# Altium PCB PCB2.PcbDoc (part 1 of 3) (continued)
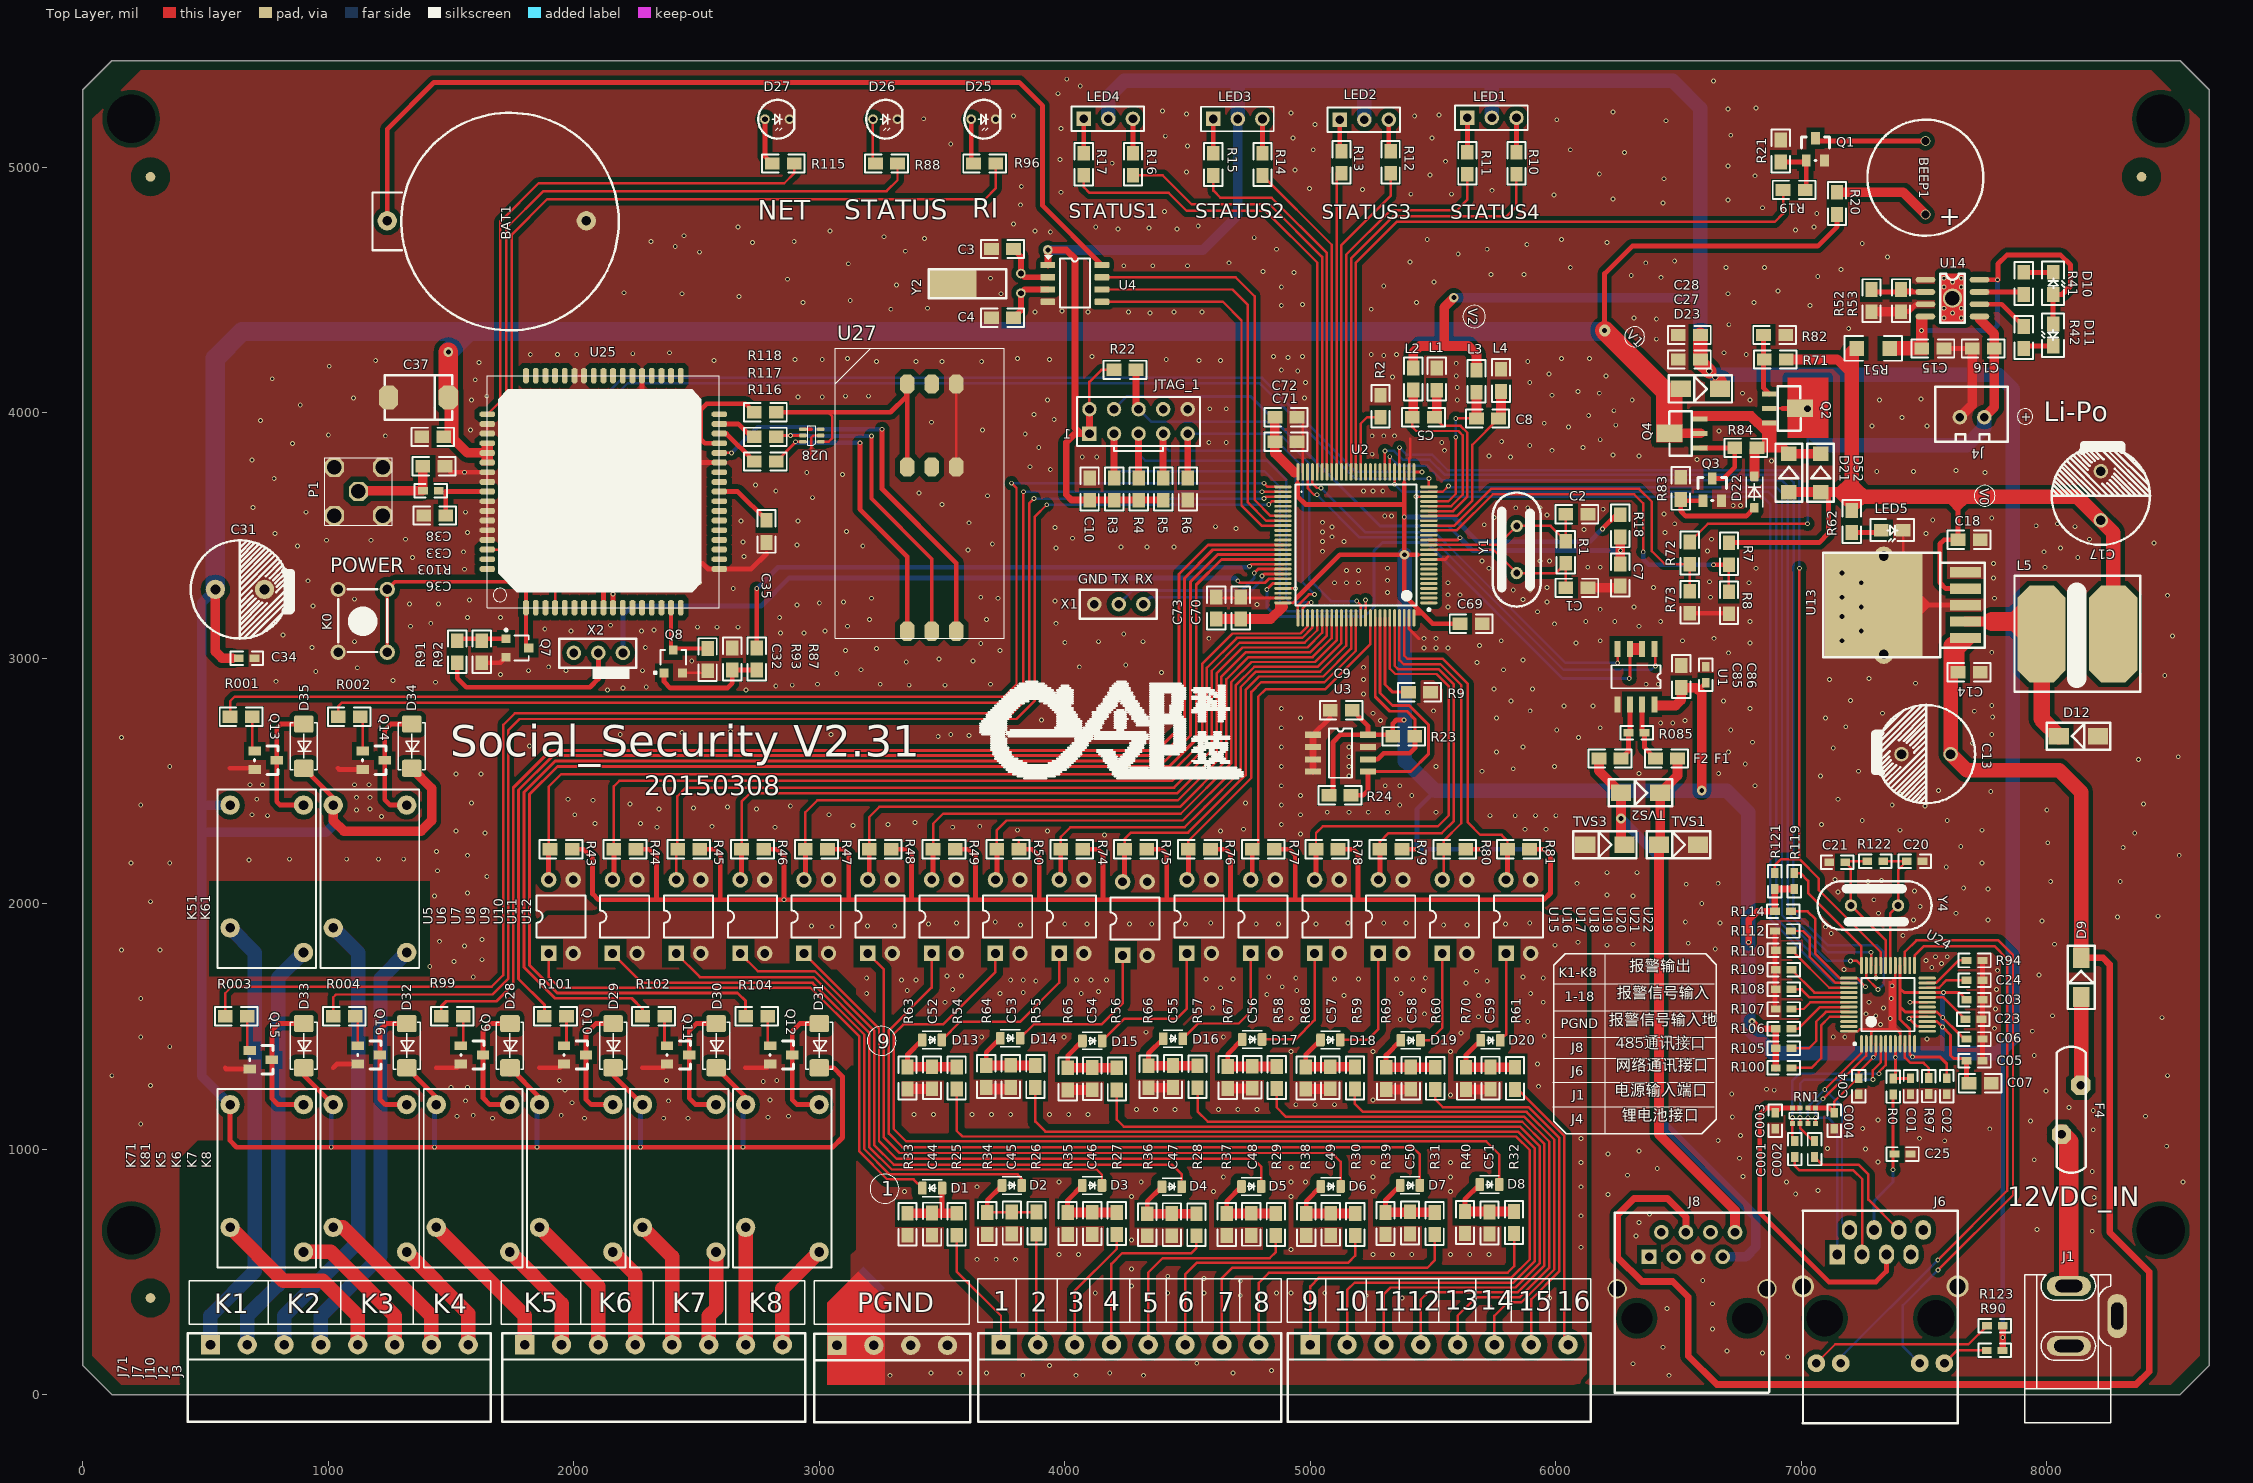
[diagram p0: Top Layer view]
## Components (designator, comment, footprint, x,y, rotation, side; value= is the part's Value field where it differs from the comment) (continued)
R47 "4.7K" 0805 2943.23,2221.57 r0 top locked
R48 "4.7K" 0805 3203.23,2221.57 r0 top locked
R49 "4.7K" 0805 3463.23,2221.57 r0 top locked
R50 "4.7K" 0805 3723.23,2221.57 r0 top locked
R51 "0.4" 1206 7225.75,4261.26 r0 top locked
R52 "2.7K" 0805 7285.75,4501.26 r270 top locked
R53 "2.7K" 0805 7405.75,4501.26 r270 top locked
R54 "4.7K" 0805 3559.29,1244.88 r90 top locked
R55 "4.7K" 0805 3880.08,1250.71 r90 top locked
R56 "4.7K" 0805 4211.93,1240.94 r90 top locked
R57 "4.7K" 0805 4540.83,1249.96 r90 top locked
R58 "4.7K" 0805 4863.38,1246.77 r90 top locked
R59 "4.7K" 0805 5181.65,1244.88 r90 top locked
R60 "4.7K" 0805 5508.9,1243.15 r90 top locked
R61 "4.7K" 0805 5833.93,1243.15 r90 top locked
R62 "1K" 0805 7205.75,3601.26 r270 top locked
R63 "10K" 0805 3359.29,1244.88 r90 top locked
R64 "10K" 0805 3680.08,1250.71 r90 top locked
R65 "10K" 0805 4011.93,1240.94 r90 top locked
R66 "10K" 0805 4340.83,1249.96 r90 top locked
R67 "10K" 0805 4663.38,1246.77 r90 top locked
R68 "10K" 0805 4981.65,1244.88 r90 top locked
R69 "10K" 0805 5308.9,1243.15 r90 top locked
R70 "10K" 0805 5633.93,1243.15 r90 top locked
R71 "100" 0805 6849.06,4216.46 r0 top locked
R72 "10K" 0805 6545.4,3382.83 r90 top locked
R73 "10K" 0805 6545.4,3182.83 r90 top locked
R74 "4.7K" 0805 3983.23,2221.57 r0 top locked
R75 "4.7K" 0805 4243.23,2221.57 r0 top locked
R76 "4.7K" 0805 4503.23,2221.57 r0 top locked
R77 "4.7K" 0805 4763.23,2221.57 r0 top locked
R78 "4.7K" 0805 5023.23,2221.57 r0 top locked
R79 "4.7K" 0805 5283.23,2221.57 r0 top locked
R80 "4.7K" 0805 5543.23,2221.57 r0 top locked
R81 "4.7K" 0805 5803.23,2221.57 r0 top locked
R82 "4.7K" 0805 6936.3,4316.46 r180 top locked
R83 "4.7K" 0805 6509.06,3736.46 r270 top locked
R84 "4.7K" 0805 6729.06,3856.46 r0 top locked
R085 "120R" 0603 6361.57,2696.38 r180 top locked
R87 "4.7K" 0805 2745.12,3041.26 r270 top locked
R88 "1K" 0805 3228.43,5015.12 r0 top locked
R90 "270" 0603 7820,180 r180 top
R91 "4.7K" 0805 1525.12,2981.26 r90 top locked
R92 "10K" 0805 1625.12,2981.26 r90 top locked
R93 "10K" 0805 2645.12,3041.26 r270 top locked
R94 "10K" 0603 7673.31,1768.5 r0 top locked
R96 "1K" 0805 3628.43,5015.12 r0 top locked
R97 "12.4K" 0603 7519.68,1224.41 r90 top locked
R99 "1K" 0805 1460,1541.26 r0 top locked
R100 "10K" 0603 6895.51,1330.71 r0 top locked
R101 "1K" 0805 1880,1541.26 r0 top locked
R102 "1K" 0805 2280,1541.26 r0 top locked
R103 "0R" 0603 1385.12,3681.26 r0 top locked
R104 "1K" 0805 2700,1541.26 r0 top locked
R105 "10K" 0603 6895.51,1410.71 r0 top locked
R106 "10K" 0603 6895.51,1490.71 r0 top locked
R107 "10K" 0603 6895.51,1570.71 r0 top locked
R108 "10K" 0603 6895.51,1650.71 r0 top locked
R109 "10K" 0603 6895.51,1730.71 r0 top locked
R110 "10K" 0603 6895.51,1810.71 r0 top locked
R112 "10K" 0603 6893.31,1888.5 r0 top locked
R114 "10K" 0603 6893.31,1968.5 r0 top locked
R115 "1K" 0805 2808.43,5015.12 r0 top locked
R116 "22" 0805 2825.12,3801.26 r180 top locked
R117 "22" 0805 2825.12,3901.26 r180 top locked
R118 "22" 0805 2825.12,4001.26 r180 top locked
R119 "10K" 0603 6971.34,2059.21 r90 top locked
R121 "10K" 0603 6891.34,2059.21 r90 top locked
R122 "1M" 0603 7333.86,2172.44 r180 top locked
R123 "270" 0603 7820.71,280 r180 top
RN1 "51R" 0603-4 7073.86,1167.87 r180 top locked
TVS1 "TVS" SMB 6420,2240 r0 top locked
TVS2 "TVS" SMB 6265.67,2450.87 r0 top locked
TVS3 "TVS" SMB 6120,2240 r0 top locked
U1 "SP3485" SOP-8#1 6401.57,3036.38 r270 top locked
U2 "STM32F103VET6" LQFP100_N 5185.75,3461.26 r180 top locked
U3 "24C02" SOP-8#1 5010.79,2687.8 r0 top locked
U4 "DS1302" SOP-8#2 4041.03,4526.46 r0 top locked
U5 "PC817" DIP4 1897.4,1797.16 r90 top locked
U6 "PC817" DIP4 2157.4,1797.16 r90 top locked
U7 "PC817" DIP4 2417.4,1797.16 r90 top locked
U8 "PC817" DIP4 2677.4,1797.16 r90 top locked
U9 "PC817" DIP4 2937.4,1797.16 r90 top locked
U10 "PC817" DIP4 3197.4,1797.16 r90 top locked
U11 "PC817" DIP4 3457.4,1797.16 r90 top locked
U12 "PC817" DIP4 3717.4,1797.16 r90 top locked
U13 "LM2596S_5.0" TO-263-5 7668.43,3082.2 r0 top locked
U14 "TP4056" SO8E 7505.75,4541.26 r0 top locked
U15 "PC817" DIP4 3977.4,1797.16 r90 top locked
U16 "PC817" DIP4 4235.35,1788.82 r90 top locked
U17 "PC817" DIP4 4497.4,1797.16 r90 top locked
U18 "PC817" DIP4 4757.4,1797.16 r90 top locked
U19 "PC817" DIP4 5017.4,1797.16 r90 top locked
U20 "PC817" DIP4 5277.4,1797.16 r90 top locked
U21 "PC817" DIP4 5537.4,1797.16 r90 top locked
U22 "PC817" DIP4 5797.4,1797.16 r90 top locked
U24 "W5500" LQFP48_N 7353.31,1588.5 r90 top locked
U25 "SIM900" SIM-900 2592.84,3205.98 r90 top locked
U27 "SIM" sim-6p 3458,3109 r0 top locked
U28 "SMF05" SC70-6L 3005.12,3881.26 r180 top locked
X1 "2.54-TX" 2.54-TX 4060,3160 r0 top locked
X2 "2.54-TX" 2.54-TX 1940,2961.26 r0 top locked
Y1 "8MHz" XTAL_US 5840.75,3346.26 r90 top locked
Y2 "32.768KHz" cs-308 3761.03,4466.46 r180 top locked
Y4 "25MHz" XTAL_US 7394.25,1992.44 r180 top locked

## Footprints (in the part's own frame and the unit in brackets; to place one, negate y for a bottom-side part, rotate by r counter-clockwise, add the part's x,y. Pads: shape width x height; smd on the part's side, far side on the other; paste and mask are expansions set on the pad)
2.54 [mm]
  round 1.5 hole 0.9: 1(5.08,2.54) 2(2.54,2.54)
  silkscreen extent 0,0 7.5,5.7
2.54-TX [mm]
  round 1.5 hole 0.9: 1(6.604,1.524) 2(4.064,1.524) 3(1.524,1.524)
  silkscreen extent 0,0 8,3
3.81-4P-W [mm]
  rect 2x2 hole 1: 1(2.345,-1.2)
  round 2 hole 1: 2(6.155,-1.2) 3(9.965,-1.2) 4(13.775,-1.2)
  silkscreen extent 0,-9.15 16.12,0
3.81-8P-W [mm]
  rect 2x2 hole 1: 1(0,0)
  round 2 hole 1: 2(3.81,0) 3(7.62,0) 4(11.43,0) 5(15.24,0) 6(19.05,0) 7(22.86,0) 8(26.67,0)
  silkscreen extent -2.34,-7.99 29.02,1.2
0603 [mil]
  rect 40x30 smd: 1(0,0) 2(65,0)
  silkscreen extent -33,-28 98,28
0603-4 [mm]
  rect 0.5x0.5 smd: 1(0.4,0) 2(0.4,1.6) 3(1.2,0) 4(1.2,1.6) 5(2,0) 6(2,1.6) 7(2.8,0) 8(2.8,1.6)
  silkscreen extent 0.1,0.5 3.1,1.1
0805 [mil]
  rect 60x50 smd: 1(0,0) 2(90,0)
  silkscreen extent -42,-37 132,37
0805-LED [mil]
  rrect25% 35x52 smd: 1(-40,0) 2(40,0)
  silkscreen extent -40,-35 40,35, body extent -40,-25 40,24, height 43
1206 [mil]
  rect 60x60 smd: 1(0,0) 2(135,0)
  silkscreen extent -50,-50 185,50
7343 [mm]
  oct 2x2.5 smd: 1(-0.1,0) 2(6.1,0)
  silkscreen extent -0.5,-2.3 6.5,2.3
BEEP-12 [mm]
  round 1 hole 0.8: 1(0,0) 2(7.6,0)
  silkscreen extent -2.2,-6 9.8,6
CR2032 [mm]
  round 2 hole 1: 1(0,0) 2(0,-20.6)
  silkscreen extent -11.32,-23.95 11.18,1.52
cs-308 [mm]
  round 1 hole 0.6: 1(-1.524,-0.508) 2(-1.524,-2.54)
  rect 5x3 smd: 3(5.588,-1.524)
  silkscreen extent 0,-3 8,0
DC10B [mil]
  oval 80x180 hole 50 slot 110 at 90 deg: 1(419.09,170)
  oval 80x180 hole 50 slot 120 at 90 deg: 2(175,170)
  oval 180x80 hole 50 slot 110 at 0 deg: 3(297.05,-26.85)
  silkscreen extent -138,0 465,350
DIP4 [mm]
  rect 1.6x1.6 hole 0.9: 1(0,0)
  round 1.6 hole 0.9: 2(0,-2.54) 3(7.62,-2.54) 4(7.62,0)
  silkscreen extent 1.64,-3.81 5.99,1.27
DO-214AC(SMA) [mil]
  rrect25% 70x80 smd: 1(-90,0) 2(90,0)
  silkscreen extent -95,-55 95,55, body extent -108,-55 108,55, height 91
FUSE-RL60-110 [mm]
  oct 2x2 hole 0.9: 1(0,0) 2(5.1,-2)
  silkscreen extent -3.97,-2.5 9.07,0.5
HDR1X3 [mm]
  rect 1.5x1.5 hole 0.9: 1(0,0)
  round 1.5 hole 0.9: 2(2.54,0) 3(5.08,0)
  silkscreen extent -1.27,-1.27 6.25,1.27
HR911105A [mil]
  rect 80x62 hole 40: 1(0,0)
  oval 80x62 hole 40: 2(-100,50) 3(0,100) 4(-100,150) 5(0,200) 6(-100,250) 7(0,300) 8(-100,350)
  round 72 hole 36: 9(442.91,-85.63) 10(442.91,14) 11(442.91,335.87) 12(442.91,436)
  round 90 hole 65: 13(129.92,-139.76) 14(129.92,490.16)
  round 0 hole 149.61: ""(259.84,401.58) ""(259.84,-51.18)
  silkscreen extent -179,-140 687,490
INDUCTOR-1212 [mm]
  oct 5x10 smd: 1(2.8,6) 2(10.2,6)
  silkscreen extent 0,0 13,12
JTAG_10 [mm]
  rect 1.5x1.5 hole 0.9: 1(0,0)
  round 1.5 hole 0.9: 2(0,2.54) 3(2.54,0) 4(2.54,2.54) 5(5.08,0) 6(5.08,2.54) 7(7.62,0) 8(7.62,2.54) 9(10.16,0) 10(10.16,2.54)
  silkscreen extent -1.27,-1.78 11.43,3.81
KEY_M [mil]
  round 62 hole 38: 1(0,0) 1(255.91,0) 2(0,-200) 2(255.91,-200)
  silkscreen extent 0,-200 255,0
LED-0805 [mil]
  rect 60x50 smd: 1(0,0) 2(90,0)
  silkscreen extent -43,-46 134,45
LED-DIP [mm]
  round 1 hole 0.6: 1(-0.25,0) 2(2.29,0)
  silkscreen extent -0.95,-2 2.78,2
LQFP48_N [mm] "Thin QFP, 48-Leads, Body 7x7mm, Pitch 0.5mm, IPC Medium Density"
  oval 1.8x0.3 smd: 1(-4.05,2.75) 2(-4.05,2.25) 3(-4.05,1.75) 4(-4.05,1.25) 5(-4.05,0.75) 6(-4.05,0.25) 7(-4.05,-0.25) 8(-4.05,-0.75) 9(-4.05,-1.25) 10(-4.05,-1.75) 11(-4.05,-2.25) 12(-4.05,-2.75) 25(4.05,-2.75) 26(4.05,-2.25) 27(4.05,-1.75) 28(4.05,-1.25) 29(4.05,-0.75) 30(4.05,-0.25) 31(4.05,0.25) 32(4.05,0.75) 33(4.05,1.25) 34(4.05,1.75) 35(4.05,2.25) 36(4.05,2.75)
  oval 0.3x1.8 smd: 13(-2.75,-4.05) 14(-2.25,-4.05) 15(-1.75,-4.05) 16(-1.25,-4.05) 17(-0.75,-4.05) 18(-0.25,-4.05) 19(0.25,-4.05) 20(0.75,-4.05) 21(1.25,-4.05) 22(1.75,-4.05) 23(2.25,-4.05) 24(2.75,-4.05) 37(2.75,4.05) 38(2.25,4.05) 39(1.75,4.05) 40(1.25,4.05) 41(0.75,4.05) 42(0.25,4.05) 43(-0.25,4.05) 44(-0.75,4.05) 45(-1.25,4.05) 46(-1.75,4.05) 47(-2.25,4.05) 48(-2.75,4.05)
  silkscreen extent -4.17,-2.75 2.75,3.57, body extent -3.5,-3.5 3.5,3.5, height 1.6
LQFP100_N [mm] "Thin QFP, 100-Leads, Body 14x14mm, Pitch 0.5mm, IPC Medium Density"
  oval 1.8x0.3 smd: 1(-7.55,6) 2(-7.55,5.5) 3(-7.55,5) 4(-7.55,4.5) 5(-7.55,4) 6(-7.55,3.5) 7(-7.55,3) 8(-7.55,2.5) 9(-7.55,2) 10(-7.55,1.5) 11(-7.55,1) 12(-7.55,0.5) 13(-7.55,0) 14(-7.55,-0.5) 15(-7.55,-1) 16(-7.55,-1.5) 17(-7.55,-2) 18(-7.55,-2.5) 19(-7.55,-3) 20(-7.55,-3.5) 21(-7.55,-4) 22(-7.55,-4.5) 23(-7.55,-5) 24(-7.55,-5.5) 25(-7.55,-6) 51(7.55,-6) 52(7.55,-5.5) 53(7.55,-5) 54(7.55,-4.5) 55(7.55,-4) 56(7.55,-3.5) 57(7.55,-3) 58(7.55,-2.5) 59(7.55,-2) 60(7.55,-1.5) 61(7.55,-1) 62(7.55,-0.5) 63(7.55,0) 64(7.55,0.5) 65(7.55,1) 66(7.55,1.5) 67(7.55,2) 68(7.55,2.5) 69(7.55,3) 70(7.55,3.5) 71(7.55,4) 72(7.55,4.5) 73(7.55,5) 74(7.55,5.5) 75(7.55,6)
  oval 0.3x1.8 smd: 26(-6,-7.55) 27(-5.5,-7.55) 28(-5,-7.55) 29(-4.5,-7.55) 30(-4,-7.55) 31(-3.5,-7.55) 32(-3,-7.55) 33(-2.5,-7.55) 34(-2,-7.55) 35(-1.5,-7.55) 36(-1,-7.55) 37(-0.5,-7.55) 38(0,-7.55) 39(0.5,-7.55) 40(1,-7.55) 41(1.5,-7.55) 42(2,-7.55) 43(2.5,-7.55) 44(3,-7.55) 45(3.5,-7.55) 46(4,-7.55) 47(4.5,-7.55) 48(5,-7.55) 49(5.5,-7.55) 50(6,-7.55) 76(6,7.55) 77(5.5,7.55) 78(5,7.55) 79(4.5,7.55) 80(4,7.55) 81(3.5,7.55) 82(3,7.55) 83(2.5,7.55) 84(2,7.55) 85(1.5,7.55) 86(1,7.55) 87(0.5,7.55) 88(0,7.55) 89(-0.5,7.55) 90(-1,7.55) 91(-1.5,7.55) 92(-2,7.55) 93(-2.5,7.55) 94(-3,7.55) 95(-3.5,7.55) 96(-4,7.55) 97(-4.5,7.55) 98(-5,7.55) 99(-5.5,7.55) 100(-6,7.55)
  silkscreen extent -7.68,-6.25 6.25,6.82, body extent -7,-7 7,7, height 1.6
RB5.0-10#1 [mm]
  round 1.5 hole 1.016: 1(0,0) 2(-5.08,0)
  silkscreen extent -7.84,-5.08 2.54,5.11
RB5.0-10#2 [mm]
  round 2 hole 1.016: 1(0,0) 2(-5.08,0)
  silkscreen extent -7.84,-5.08 2.54,5.11
RELAY-SONGCHUAN [mm]
  round 2 hole 1: 1(12.7,0) 2(15.24,7.6) 3(0,7.6) 4(0,0)
  silkscreen extent -1.6,-1.3 16.84,8.9
RJ45-1 [mil]
  rect 60x60 hole 35: 1(0,0)
  round 60 hole 35: 2(-50,-100) 3(-100,0) 4(-150,-100) 5(-200,0) 6(-250,-100) 7(-300,0) 8(-350,-100)
  round 78.74 hole 64.96: 9(129.92,130) 10(-480.31,130)
  oct 0x0 hole 125.98: ""(-400,250) ""(50,250)
  silkscreen extent -490,-180 140,553
SC70-6L [mm]
  oct 0.85x0.4 smd: 1(0,0) 2(0,-0.65) 3(0,-1.3) 4(1.829,-1.3) 5(1.829,-0.65) 6(1.829,0)
  silkscreen extent 0.51,-1.64 1.32,0.36
sim-6p [mm]
  oct 1.5x2 smd: 1(-2.54,17) 1(-2.54,25.6) 2(0,17) 2(0,25.6) 3(2.54,17) 3(2.54,25.6) 4(-2.54,0) 5(0,0) 6(2.54,0)
  silkscreen extent -10,-0.7 7.5,29.3
SIM-900 [mm]
  oct 1.6x0.6 smd: 1(0,20) 2(0,19) 3(0,18) 4(0,17) 5(0,16) 6(0,15) 7(0,14) 8(0,13) 9(0,12) 10(0,11) 11(0,10) 12(0,9) 13(0,8) 14(0,7) 15(0,6) 16(0,5) 17(0,4) 35(24,4) 36(24,5) 37(24,6) 38(24,7) 39(24,8) 40(24,9) 41(24,10) 42(24,11) 43(24,12) 44(24,13) 45(24,14) 46(24,15) 47(24,16) 48(24,17) 49(24,18) 50(24,19) 51(24,20)
  oct 0.6x1.6 smd: 18(4,0) 19(5,0) 20(6,0) 21(7,0) 22(8,0) 23(9,0) 24(10,0) 25(11,0) 26(12,0) 27(13,0) 28(14,0) 29(15,0) 30(16,0) 31(17,0) 32(18,0) 33(19,0) 34(20,0) 52(20,24) 53(19,24) 54(18,24) 55(17,24) 56(16,24) 57(15,24) 58(14,24) 59(13,24) 60(12,24) 61(11,24) 62(10,24) 63(9,24) 64(8,24) 65(7,24) 66(6,24) 67(5,24) 68(4,24)
  silkscreen extent 0,0 24,24
SMA(DO-214AC) [mm]
  rect 1.5x1.6 smd: 1(0,0) 2(3.95,0)
  silkscreen extent -1,-1.38 5,1.37
SMB [mm]
  rect 2.1x1.7 smd: 1(0,0) 2(4.05,0)
  silkscreen extent -1.25,-1.4 5.3,1.4
SO8E [mil]
  oval 80x24 smd: 1(0,0) 2(0,-50) 3(0,-100) 4(0,-150) 5(220,-150) 6(220,-100) 7(220,-50) 8(220,0)
  round 78.74 hole 59.05: 9(110,-75)
  silkscreen extent 60,-175 160,25
sod-123 [mil]
  rrect25% 40x35 smd: 1(-64,0) 2(64,0)
  silkscreen extent -62,-33 62,34, body extent -76,-33 76,34, height 56
SOP-8#1 [mil]
  rect 65x25 smd: 1(0,0) 2(0,-50) 3(0,-100) 4(0,-150) 5(224.41,-150) 6(224.41,-100) 7(224.41,-50) 8(224.41,0)
  silkscreen extent 65,-175 159,25
SOP-8#2 [mil]
  rrect25% 60x25 smd: 1(-110,75) 2(-110,25) 3(-110,-25) 4(-110,-75) 5(110,-75) 6(110,-25) 7(110,25) 8(110,75)
  silkscreen extent -125,-99 62,114, body extent -118,-98 118,99, height 69
SOT-23 [mil]
  rect 36x50 smd: 1(0,0) 2(75,0) 3(37.5,90)
  silkscreen extent -20,0 95,95
SOT-23R [mm]
  rect 0.9x0.95 smd: 1(0.95,-1.048) 2(-0.95,-1.048) 3(0,1.302)
  silkscreen extent -1.98,-1.17 1.3,1.3
SOT-89 [mm]
  rect 0.52x1.5 smd: 1(0,0) 2(1.5,0) 3(3,0)
  rect 1.8x2.7 smd: 4(1.5,3.2)
  silkscreen extent -0.8,0.9 3.8,3.25
ST-TH1 [mm]
  oct 2x2 hole 1.5: 1(3.5,3.5) 2(1,6) 3(6,6) 4(6,1) 5(1,1)
  silkscreen extent 0,0 7,7
TO-263-5 [mm]
  rect 3.176x1.07 smd: 1(0,0) 2(0,1.7) 3(0,3.4) 4(0,5.1) 5(0,6.8)
  round 2 hole 1.016: 6(-8.45,-1.695) 8(-8.45,8.465)
  rect 10.16x10.668 smd: 7(-9.5,3.404)
  silkscreen extent -14.73,-2 1.98,8.8
XTAL_US [mil]
  round 50 hole 28: 1(0,0) 2(192.13,0)
  silkscreen extent -136,-98 328,98

## Part data
BAT1: library part BAT
C001 C002 C3 C4 C14 C18 C20 C21 C32 C33 C34 C36 C38: library part C
C1 C2 C7 C9 C10: library part CAP, "陶瓷电容"
C01 C02 C003 C03 C004 C04 C5 C05 C06 C8 C13 C15 C16 C17 C24 C25 C27 C28 C31 C35 C37 C44 C45 C46 C47 C48 C49 C50 C51 C52 C53 C54 C55 C56 C57 C58 C59 C69 C70 C71 C72 C73 C85 C86: library part CAP
C07 C23: library part CAP, "0.1uF"
D1 D2 D3 D4 D5 D6 D7 D8 D13 D14 D15 D16 D17 D18 D19 D20 D26 LED5: library part LED-RED, "红色LED"
D9: library part 1N5824(SS54), "肖特基二极管"
D10 D11: library part LED
D12 D21 D23 D52: library part DIODE
D22: library part 1N5824(SS54), "3V稳压管"
D25: library part LED-RED, "绿色LED"
D27: library part LED-RED, "黄色LED"
D28 D29 D30 D31 D32 D33 D34 D35: "1A整流二极管"
F1 F2: "SMD0805P010TS"
F4: "RL60-110"
J1: library part POW
J2 J3 J7 J71: "端子"
J4: library part SIP2A-2.50（带槽）
J10: library part SIP4A-2.50(带槽)
K5 K6 K7 K8 K51 K61 K71 K81: library part JDQ_307, "继电器"
L1 L2 L3 L4 L5: library part INDUCTOR
LED1 LED2 LED3 LED4: "Header, 3-Pin"
P1: "SMA-J-P-H-ST-TH1"
Q1 Q3 Q9 Q10 Q11 Q12 Q13 Q14 Q15 Q16: library part NPN1
Q2 Q4: library part "MOSFET P_1"
Q7 Q8: library part NPN, "8050/BCW846/BCW847"
R0 R2 R9 R20 R41 R42 R51 R52 R53 R88 R90 R94 R97 R100 R105 R106 R107 R108 R109 R110 R112 R114 R115 R116 R117 R118 R119 R121 R122 R123: library part RES1
R001 R002 R003 R004 R7 R8 R10 R11 R12 R13 R14 R15 R16 R17 R25 R26 R27 R28 R29 R30 R31 R32 R33 R34 R35 R36 R37 R38 R39 R40 R43 R44 R45 R46 R47 R48 R49 R50 R54 R55 R56 R57 R58 R59 R60 R61 R62 R63 R64 R65 R66 R67 R68 R69 R70 R72 R73 R74 R75 R76 R77 R78 R79 R80 R81 R87 R91 R92 R93 R96 R99 R101 R102 R103 R104: library part Res
R1 R3 R4 R5 R6 R18 R22 R23 R24 R085: library part RES-1%, "高精度电阻"
R19 R21: library part R
R71 R82 R83 R84: library part RESISTOR, "Resistor"
RN1: library part RESPACK
TVS1 TVS2 TVS3: "SMBJ12CA"
U1: library part MAX3485
U2: "STM32 ARM-based 32-bit MCU with 64 Kbytes Flash, 100-pin LQFP, Industrial Temperature"
U3: library part 24C256
U4: "实时时钟"
U5 U6 U7 U8 U9 U10 U11 U12 U15 U16 U17 U18 U19 U20 U21 U22: library part TLP521, "光耦"
U13: "3A开关电源芯片"
U24: "以太网"
U27: "手机SIM卡"
Y1 Y2 Y4: library part XTAL, "Crystal Oscillator"

## Free pads (board coordinates)
  round 39.37 smd mask+39.37: 0(275.59,393.7) 0(275.59,4960.63) 0(8385.83,4960.63)
  round 39.37 hole 27.56: 0(7025.59,4015.75)
  round 19.68 hole 11.81: 0(7580.71,4547.24) 1(7651.58,4547.24) 2(7651.58,4511.81) 3(7580.71,4511.81) 4(7580.71,4425.2) 5(7651.58,4425.2) 6(7651.58,4385.83) 7(7580.71,4385.83) 8(7616.14,4405.51) 9(7616.14,4531.5)
  round 0 hole 196.85: 2(196.85,669.29) 3(8464.57,669.29) 4(196.85,5196.85) 5(8464.57,5196.85)
  round 39.37 hole 19.68: 6(7165.35,3346.46) 7(7165.35,3070.87) 8(7165.35,3169.29) 9(7165.35,3248.03) 10(7244.09,3307.09) 11(7244.09,3208.66) 12(7244.09,3110.24)

## Via types
v1: diameter 19.68, hole 11.81, Top Layer to Bottom Layer, tented both sides, 1079 vias
v2: diameter 39.37, hole 19.68, Top Layer to Bottom Layer, tented both sides, 6 vias
v3: diameter 27.56, hole 19.68, Top Layer to Bottom Layer, tented both sides, 2 vias
v4: diameter 27.56, hole 11.81, Top Layer to Bottom Layer, tented both sides, 1 vias
v5: diameter 47.24, hole 19.68, Top Layer to Bottom Layer, tented both sides, 1 vias

## Nets (pads, with @x,y where several pads share a name; then routed paths per layer and width w, separated by ;. In a path a pad name is that pad's centre, name@x,y a point inside that pad or via, vN(x,y) a via of type N, cw(c..) or ccw(c..) an arc to the next point about the centre after c; other vN are vias at no path point)
pads on no net: BAT1.1 BAT1.2 BEEP1.1 BEEP1.2 C001.1 C1.1 C01.1 C1.2 C01.2 C001.2 C002.1 C02.1 C2.1 C02.2 C2.2 C002.2 C03.1 C003.1 C3.1 C003.2 C03.2 C3.2 C04.1 C004.1 C4.1 C04.2 C4.2 C004.2 C05.1 C5.1 C5.2 C05.2 C06.1 C06.2 C07.1 C7.1 C07.2 C7.2 C8.1 C8.2 C9.1 C9.2 C10.1 C10.2 C13.1 C13.2 C14.1 C14.2 C15.1 C15.2 C16.1 C16.2 C17.1 C17.2 C18.1 C18.2 C20.1 C20.2 C21.1 C21.2 C23.1 C23.2 C24.1 C24.2 C25.1 C25.2 C27.1 C27.2 C28.1 C28.2 C31.1 C31.2 C32.1 C32.2 C33.1 C33.2 C34.1 C34.2 C35.1 C35.2 C36.1 C36.2 C37.1 C37.2 C38.1 C38.2 C44.1 C44.2 C45.1 C45.2 C46.1 C46.2 C47.1 C47.2 C48.1 C48.2 C49.1 C49.2 C50.1 C50.2 C51.1 C51.2 C52.1 C52.2 C53.1 C53.2 C54.1 C54.2 C55.1 C55.2 C56.1 C56.2 C57.1 C57.2 C58.1 C58.2 C59.1 C59.2 C69.1 C69.2 C70.1 C70.2 C71.1 C71.2 C72.1 C72.2 C73.1 C73.2 C85.1 C85.2 C86.1 C86.2 D1.1 D1.2 D2.1 D2.2 D3.1 D3.2 D4.1 D4.2 D5.1 D5.2 D6.1 D6.2 D7.1 D7.2 D8.1 D8.2 D9.1 D9.2 D10.1 D10.2 D11.1 D11.2 D12.1 D12.2 D13.1 D13.2 D14.1 D14.2 D15.1 D15.2 D16.1 D16.2 D17.1 D17.2 D18.1 D18.2 D19.1 D19.2 D20.1 D20.2 D21.1 D21.2 D22.1 D22.2 D23.1 D23.2 D25.1 D25.2 D26.1 D26.2 D27.1 D27.2 D28.1 D28.2 D29.1 D29.2 D30.1 D30.2 D31.1 D31.2 D32.1 D32.2 D33.1 D33.2 D34.1 D34.2 D35.1 D35.2 D52.1 D52.2 F1.1 F1.2 F2.1 F2.2 F4.1 F4.2 J1.1 J1.2 J1.3 J2.1 J2.2 J2.3 J2.4 J2.5 J2.6 J2.7 J2.8 J3.1 J3.2 J3.3 J3.4 J3.5 J3.6 J3.7 J3.8 J4.1 J4.2 J6. J6.1 J6.2 J6.3 J6.4 J6.5 J6.6 J6.7 J6.8 J6.9 J6.10 J6.11 J6.12 J6.13 J6.14 J7.1 J7.2 J7.3 J7.4 J7.5 J7.6 J7.7 J7.8 J8. J8.1 J8.2 J8.3 J8.4 J8.5 J8.6 J8.7 J8.8 J8.9 J8.10 J10.1 J10.2 J10.3 J10.4 J71.1 J71.2 J71.3 J71.4 J71.5 J71.6 J71.7 J71.8 JTAG_1.1 JTAG_1.2 JTAG_1.3 JTAG_1.4 JTAG_1.5 JTAG_1.6 JTAG_1.7 JTAG_1.8 JTAG_1.9 JTAG_1.10 K0.1 K0.2 K5.1 K5.2 K5.3 K5.4 K6.1 K6.2 K6.3 K6.4 K7.1 K7.2 K7.3 K7.4 K8.1 K8.2 K8.3 K8.4 K51.1 K51.2 K51.3 K51.4 K61.1 K61.2 K61.3 K61.4 K71.1 K71.2 K71.3 K71.4 K81.1 K81.2 K81.3 K81.4 L1.1 L1.2 L2.1 L2.2 L3.1 L3.2 L4.1 L4.2 L5.1 L5.2 LED1.1 LED1.2 LED1.3 LED2.1 LED2.2 LED2.3 LED3.1 LED3.2 LED3.3 LED4.1 LED4.2 LED4.3 LED5.1 LED5.2 P1.1 P1.2 P1.3 P1.4 P1.5 Q1.1 Q1.2 Q1.3 Q2.1 Q2.2 Q2.3 Q2.4 Q3.1 Q3.2 Q3.3 Q4.1 Q4.2 Q4.3 Q4.4 Q7.1 Q7.2 Q7.3 Q8.1 Q8.2 Q8.3 Q9.1 Q9.2 Q9.3 Q10.1 Q10.2 Q10.3 Q11.1 Q11.2 Q11.3 Q12.1 Q12.2 Q12.3 Q13.1 Q13.2 Q13.3 Q14.1 Q14.2 Q14.3 Q15.1 Q15.2 Q15.3 Q16.1 Q16.2 Q16.3 R0.1 R0.2 R001.1 R1.1 R001.2 R1.2 R2.1 R002.1 R2.2 R002.2 R3.1 R003.1 R3.2 R003.2 R4.1 R004.1 R4.2 R004.2 R5.1 R5.2 R6.1 R6.2 R7.1 R7.2 R8.1 R8.2 R9.1 R9.2 R10.1 R10.2 R11.1 R11.2 R12.1 R12.2 R13.1 R13.2 R14.1 R14.2 R15.1 R15.2 R16.1 R16.2 R17.1 R17.2 R18.1 R18.2 R19.1 R19.2 R20.1 R20.2 R21.1 R21.2 R22.1 R22.2 R23.1 R23.2 R24.1 R24.2 R25.1 R25.2 R26.1 R26.2 R27.1 R27.2 R28.1 R28.2 R29.1 R29.2 R30.1 R30.2 R31.1 R31.2 R32.1 R32.2 R33.1 R33.2 R34.1 R34.2 R35.1 R35.2 R36.1 R36.2 R37.1 R37.2 R38.1 R38.2 R39.1 R39.2 R40.1 R40.2 R41.1 R41.2 R42.1 R42.2 R43.1 R43.2 R44.1 R44.2 R45.1 R45.2 R46.1 R46.2 R47.1 R47.2 R48.1 R48.2 R49.1 R49.2 R50.1 R50.2 R51.1 R51.2 R52.1 R52.2 R53.1 R53.2 R54.1 R54.2 R55.1 R55.2 R56.1 R56.2 R57.1 R57.2 R58.1 R58.2 R59.1 R59.2 R60.1 R60.2 R61.1 R61.2 R62.1 R62.2 R63.1 R63.2 R64.1 R64.2 R65.1 R65.2 R66.1 R66.2 R67.1 R67.2 R68.1 R68.2 R69.1 R69.2 R70.1 R70.2 R71.1 R71.2 R72.1 R72.2 R73.1 R73.2 R74.1 R74.2 R75.1 R75.2 R76.1 R76.2 R77.1 R77.2 R78.1 R78.2 R79.1 R79.2 R80.1 R80.2 R81.1 R81.2 R82.1 R82.2 R83.1 R83.2 R84.1 R84.2 R085.1 R085.2 R87.1 R87.2 R88.1 R88.2 R90.1 R90.2 R91.1 R91.2 R92.1 R92.2 R93.1 R93.2 R94.1 R94.2 R96.1 R96.2 R97.1 R97.2 R99.1 R99.2 R100.1 R100.2 R101.1 R101.2 R102.1 R102.2 R103.1 R103.2 R104.1 R104.2 R105.1 R105.2 R106.1 R106.2 R107.1 R107.2 R108.1 R108.2 R109.1 R109.2 R110.1 R110.2 R112.1 R112.2 R114.1 R114.2 R115.1 R115.2 R116.1 R116.2 R117.1 R117.2 R118.1 R118.2 R119.1 R119.2 R121.1 R121.2 R122.1 R122.2 R123.1 R123.2 RN1.1 RN1.2 RN1.3 RN1.4 RN1.5 RN1.6 RN1.7 RN1.8 TVS1.1 TVS1.2 TVS2.1 TVS2.2 TVS3.1 TVS3.2 U1.1 U1.2 U1.3 U1.4 U1.5 U1.6 U1.7 U1.8 U2.1 U2.2 U2.3 U2.4 U2.5 U2.6 U2.7 U2.8 U2.9 U2.10 U2.11 U2.12 U2.13 U2.14 U2.15 U2.16 U2.17 U2.18 U2.19 U2.20 U2.21 U2.22 U2.23 U2.24 U2.25 U2.26 U2.27 U2.28 U2.29 U2.30 U2.31 U2.32 U2.33 U2.34 U2.35 U2.36 U2.37 U2.38 U2.39 U2.40 U2.41 U2.42 U2.43 U2.44 U2.45 U2.46 U2.47 U2.48 U2.49 U2.50 U2.51 U2.52 U2.53 U2.54 U2.55 U2.56 U2.57 U2.58 U2.59 U2.60 U2.61 U2.62 U2.63 U2.64 U2.65 U2.66 U2.67 U2.68 U2.69 U2.70 U2.71 U2.72 U2.73 U2.74 U2.75 U2.76 U2.77 U2.78 U2.79 U2.80 U2.81 U2.82 U2.83 U2.84 U2.85 U2.86 U2.87 U2.88 U2.89 U2.90 U2.91 U2.92 U2.93 U2.94 U2.95 U2.96 U2.97 U2.98 U2.99 U2.100 U3.1 U3.2 U3.3 U3.4 U3.5 U3.6 U3.7 U3.8 U4.1 U4.2 U4.3 U4.4 U4.5 U4.6 U4.7 U4.8 U5.1 U5.2 U5.3 U5.4 U6.1 U6.2 U6.3 U6.4 U7.1 U7.2 U7.3 U7.4 U8.1 U8.2 U8.3 U8.4 U9.1 U9.2 U9.3 U9.4 U10.1 U10.2 U10.3 U10.4 U11.1 U11.2 U11.3 U11.4 U12.1 U12.2 U12.3 U12.4 U13.1 U13.2 U13.3 U13.4 U13.5 U13.6 U13.7 U13.8 U14.1 U14.2 U14.3 U14.4 U14.5 U14.6 U14.7 U14.8 U14.9 U15.1 U15.2 U15.3 U15.4 U16.1 U16.2 U16.3 U16.4 U17.1 U17.2 U17.3 U17.4 U18.1 U18.2 U18.3 U18.4 U19.1 U19.2 U19.3 U19.4 U20.1 U20.2 U20.3 U20.4 U21.1 U21.2 U21.3 U21.4 U22.1 U22.2 U22.3 U22.4 U24.1 U24.2 U24.3 U24.4 U24.5 U24.6 U24.7 U24.8 U24.9 U24.10 U24.11 U24.12 U24.13 U24.14 U24.15 U24.16 U24.17 U24.18 U24.19 U24.20 U24.21 U24.22 U24.23 U24.24 U24.25 U24.26 U24.27 U24.28 U24.29 U24.30 U24.31 U24.32 U24.33 U24.34 U24.35 U24.36 U24.37 U24.38 U24.39 U24.40 U24.41 U24.42 U24.43 U24.44 U24.45 U24.46 U24.47 U24.48 U25.1 U25.2 U25.3 U25.4 U25.5 U25.6 U25.7 U25.8 U25.9 U25.10 U25.11 U25.12 U25.13 U25.14 U25.15 U25.16 U25.17 U25.18 U25.19 U25.20 U25.21 U25.22 U25.23 U25.24 U25.25 U25.26 U25.27 U25.28 U25.29 U25.30 U25.31 U25.32 U25.33 U25.34 U25.35 U25.36 U25.37 U25.38 U25.39 U25.40 U25.41 U25.42 U25.43 U25.44 U25.45 U25.46 U25.47 U25.48 U25.49 U25.50 U25.51 U25.52 U25.53 U25.54 U25.55 U25.56 U25.57 U25.58 U25.59 U25.60 U25.61 U25.62 U25.63 U25.64 U25.65 U25.66 U25.67 U25.68 U27.1 U27.2 U27.3 U27.4 U27.5 U27.6 U28.1 U28.2 U28.3 U28.4 U28.5 U28.6 X1.1 X1.2 X1.3 X2.1 X2.2 X2.3 Y1.1 Y1.2 Y2.1 Y2.2 Y2.3 Y4.1 Y4.2